# Altium PCB PCB_Amplifier.PcbDoc (part 1 of 4) (continued)
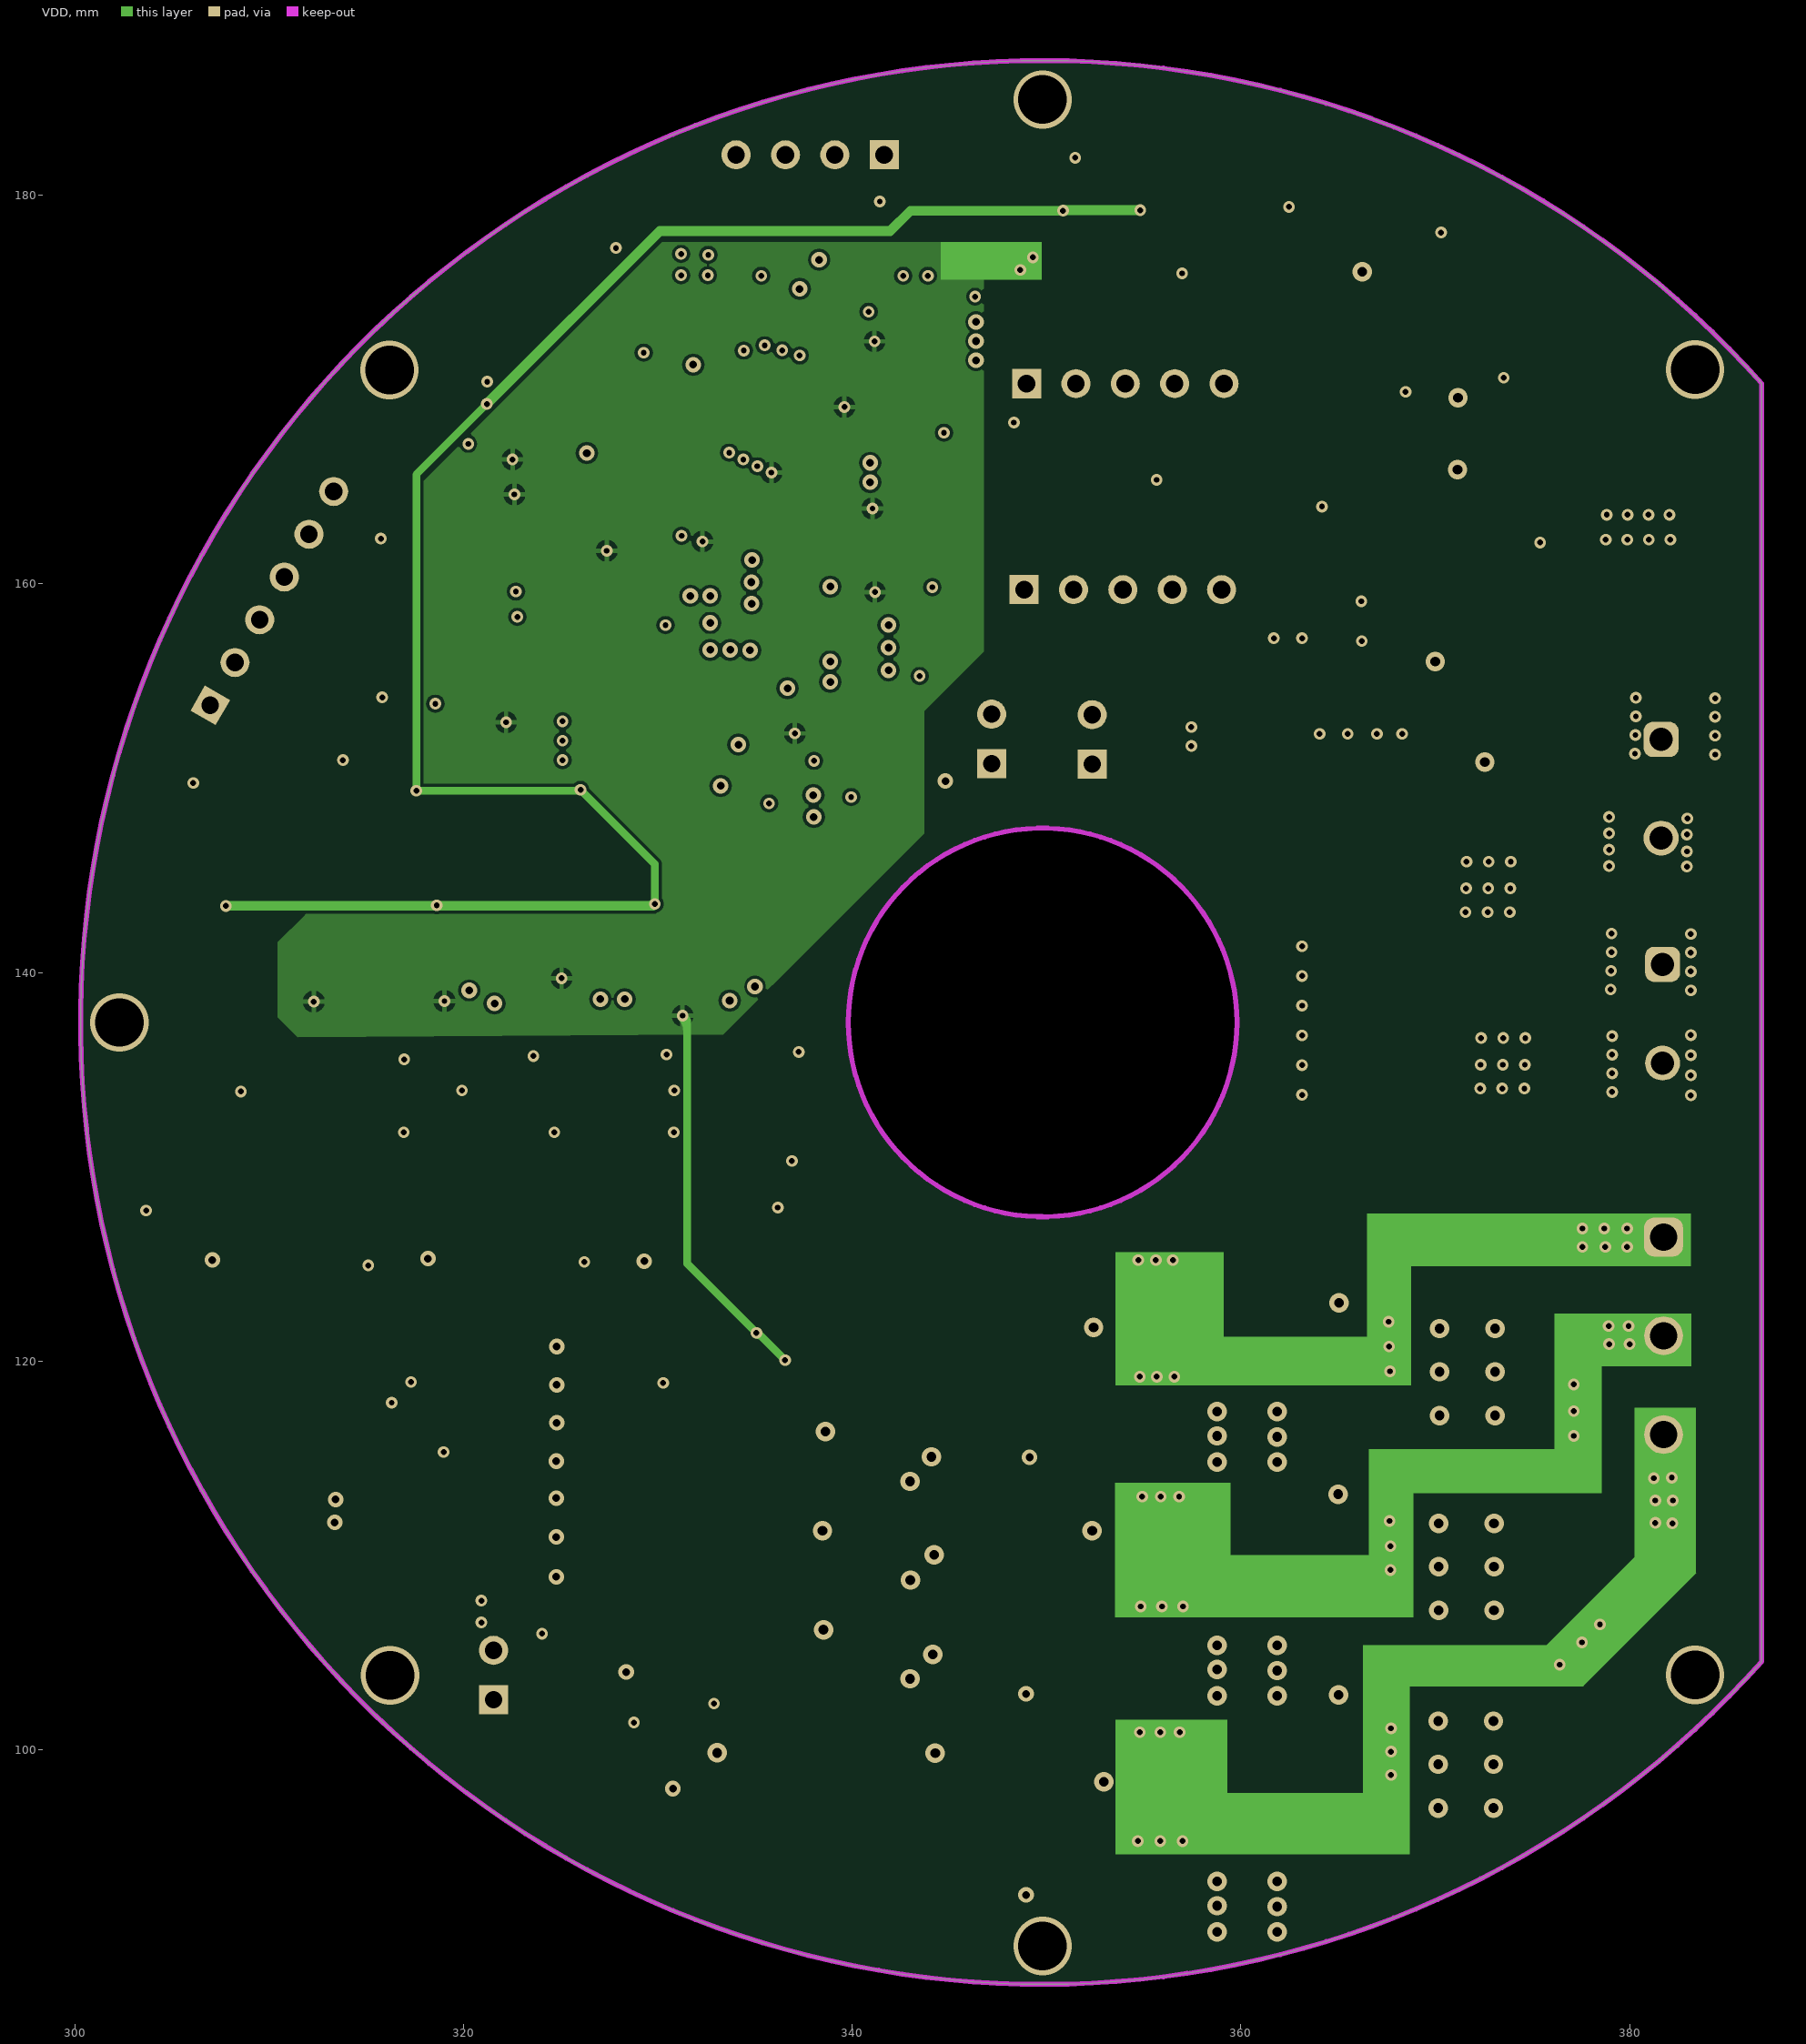
[diagram p3: VDD]

## Layer stack, top to bottom
Top Layer: signal copper 0.0356
Dielectric: core 0.32, FR-4, Dk 4.8
GND: signal copper 0.0356
Dielectric: prepreg 0.32, FR-4, Dk 4.8
VDD: signal copper 0.0356
Dielectric: core 0.32, FR-4, Dk 4.8
Bottom Layer: signal copper 0.0356

## Board outline
386.803,104.548 cw(c349.799,137.426) 386.804,170.303
cut-out: 349.675,147.4 351.4,147.325 352.925,146.925 354.25,146.375 355.925,145.275 357.175,144.125 358.275,142.875 359.25,140.85 359.75,138.725 359.7,135.7 359.05,133.55 358.175,131.925 356.65,130.05 355.175,129 353.25,128.075 351.175,127.525 348.475,127.55 346.65,127.975 344.95,128.7 343.55,129.7 342.25,130.775 341.075,132.425 340.225,134.325 339.9,136.375 339.775,138.2 340.175,140.05 340.75,141.625 341.575,143.175 342.7,144.55 344.275,145.75 345.875,146.6 347.675,147.2

## Design rules (kind name [scope] priority, off if disabled: settings)
Clearance [All] p1: gap=0.16
PolygonConnect [All] p1: connectstyle=Relief reliefconductorwidth=0.254 reliefentries=4 polygonreliefangle="90 Angle" airgapwidth=0.254
RoutingVias [All] p1: holewidth=0.711 width=1.27 viastyle="Through Hole" minholewidth=0.711 minwidth=1.27 maxholewidth=0.711 maxwidth=1.27
SolderMaskExpansion [All] p1: expansion=0.102
Width [All] p1: maxlimit=4 minlimit=0.2 preferedwidth=0.3
28 further rules are at their usual default settings.

## Classes and differential pairs
component class 电源: C70 C71 C72 C73 C74 C75 C76 C77 Cff Cin Cin1 Cin2 Cout Css D4 D5 D6 D7 FE1 FE2 FE3 L1 R75 R76 R77 R78 R79 Renb Rent Rfbb Rfbt Ron T1 U16 U17 U18 U19 U20 U21 U22 Vin_I Vin_II
component class H桥驱动部分: C21 C22 C23 C24 C25 C26 C30 C31 C32 C33 C34 C35 C40 C41 C42 C43 C44 C45 C50 C51 C52 C53 C54 C55 D1 D2 D3 Motor Q1 Q2 Q3 Q4 Q5 Q6 R6 R7 R8 R9 R10 R11 R12 R13 R14 R15 R16 R17 R20 R21 R22 R23 R24 R25 R26 R27 R28 R29 R30 R31 R32 R33 R34 R35 R36 R37 R38 R44 R45 R46 R47 R48 R54 R55 R56 R57 R58 U5 U6 U7 U8 U9 U10 U11 U12
component class 主控芯片: C1 C2 C3 C4 C5 C6 C7 C8 C9 C10 C11 C12 C79 D8 R1 R2 R80 R81 R100 R101 R102 R103 SW U1 U2 Y1
component class 通讯接口: P485 Pcan R3 R4 R5 U3 U4
component class 霍尔传感器以及增量编码器: C60 C61 C62 C63 C64 C65 C66 C67 Hall_Sensor Increase_Encoder R60 R61 R62 R63 R64 R65 U13
component class 绝对编码器与抱闸: "Abs Encoder" Brake Q7 R70 R71 R72 R73 U14 U15
component class 外接力矩传感器接口: C80 C81 C82 C83 C84 C85 C86 C87 C88 "P torque" R85 R86 R87 R88 R89 R90 R91 R92 R93 R94 R95 R96 R97 R98 R99 U23 U24

## Components (designator, comment, footprint, x,y, rotation, side; value= is the part's Value field where it differs from the comment)
"Abs Encoder" "7pin FFC" "FPC Con 6pin 1mm" 340.3,177.325 r270 top
Brake "Header 2" HDR1X2 321.55,102.575 r90 top
C1 "2.2uF (225) 10% 16V" 0603_C 339.95,150.825 r90 top
C2 "2.2uF (225) 10% 16V" 0603_C 320.475,155.7 r0 top
C3 "0.1uF 0% 16V" 0603_C 326.35,170 r90 top
C4 "20pF 16V" 0603_C 328.175,169.975 r90 top
C5 "20pF 16V" 0603_C 336.9,169.975 r90 top
C6 "10uF (106) 10% 10V" 0603_C 338.65,169.975 r270 top
C7 "1uF (105) 10% 50V" 0603_C 341.4,163.825 r180 top
C8 "100nF (104) 10% 50V" 0603_C 341.75,150.825 r90 top
C9 "100nF (104) 10% 50V" 0603_C 320.475,153.825 r0 top
C10 "100nF (104) 10% 50V" 0603_C 320.475,161.7 r0 top
C11 "100nF (104) 10% 50V" 0603_C 322.75,170.025 r270 top
C12 "100nF (104) 10% 50V" 0603_C 324.55,170.025 r270 top
C21 "1uF (105) 10% 50V" 0805_C 342.1,116.35 r0 bottom
C22 "1uF (105) 10% 50V" 0805_C 342.1,111.275 r0 bottom
C23 "1uF (105) 10% 50V" 0805_C 342.1,106.175 r0 bottom
C24 "22uF (226) 20% 25V" 0805_C 334.775,95.1 r90 top
C25 "200pF (201) 10% 50V" 0603_C 337.95,93.925 r0 top
C26 "22uF (226) 20% 25V" 0805_C 331.625,95.1 r270 top
C30 "100nF (104) 10% 50V" 1206_C 311.3,129.25 r180 top
C31 "330pF (331) 5% 50V" 0603_C 311.3,126.525 r180 top
C32 "10pF (100) 5% 50V" 0603_C 312.85,124.475 r180 top
C33 "10pF (100) 5% 50V" 0603_C 309.75,124.475 r0 top
C34 "100nF (104) 10% 50V" 1206_C 311.3,145.425 r180 top
C35 "100nF (104) 10% 50V" 0603_C 313.025,149.6 r180 top
C40 "100nF (104) 10% 50V" 1206_C 322.35,129.25 r180 top
C41 "330pF (331) 5% 50V" 0603_C 322.35,126.525 r180 top
C42 "10pF (100) 5% 50V" 0603_C 323.9,124.475 r180 top
C43 "10pF (100) 5% 50V" 0603_C 320.8,124.475 r0 top
C44 "100nF (104) 10% 50V" 1206_C 322.3,145.425 r180 top
C45 "100nF (104) 10% 50V" 0603_C 324.025,149.6 r180 top
C50 "100nF (104) 10% 50V" 1206_C 333.375,129.25 r180 top
C51 "330pF (331) 5% 50V" 0603_C 333.45,126.525 r180 top
C52 "10pF (100) 5% 50V" 0603_C 335.025,124.475 r180 top
C53 "10pF (100) 5% 50V" 0603_C 331.925,124.475 r0 top
C54 "100nF (104) 10% 50V" 1206_C 333.3,145.425 r180 top
C55 "100nF (104) 10% 50V" 0603_C 334.975,149.6 r180 top
C60 "0.1uF (104) 10% 50V" 0603_C 341.4,159.6 r180 top
C61 "0.1uF (104) 10% 50V" 0603_C 348.45,173.925 r270 top
C62 "1nF (102) 10% 50V" 0603_C 348.475,163.25 r270 top
C63 "1nF (102) 10% 50V" 0603_C 352.735,163.25 r270 top
C64 "1nF (102) 10% 50V" 0603_C 356.995,163.25 r270 top
C65 "1nF (102) 10% 50V" 0603_C 350.375,173.925 r270 top
C66 "1nF (102) 10% 50V" 0603_C 354.275,173.925 r270 top
C67 "1nF (102) 10% 50V" 0603_C 358.1,173.925 r270 top
C70 "10uF 10% 16V" "Cap Tan 3015" 364.3,157.6 r270 bottom
C71 "100nF 10% 50V" 1608[0603] 361.7,158.7 r90 bottom
C72 "10nF 16V 10%" 1608[0603] 371.925,164.375 r0 bottom
C73 "68uF 35V" "6.3x5.4 贴片电解电容" 357.975,150.45 r0 top
C74 "10uF 10% 16V" "Cap Tan 3015" 375.975,172.1 r180 bottom
C75 "0.1uF 50V 10%" 1608[0603] 374.723,174.775 r0 bottom
C76 "0.1uF 50V 10%" 1608[0603] 365.95,180.225 r180 bottom
C77 "10uF 10% 16V" "Cap Tan 3015" 367.05,178.075 r0 bottom
C79 "4.7uF (475) 10% 16V" 0603_C 328.65,178.85 r180 top
C80 "100nF (104) 10% 50V" 0603_C 329.775,161.1 r180 bottom
C81 "47pF (470) 5% 50V" 0603_C 320.15,164.775 r180 bottom
C82 "330pF (331) 5% 50V" 0603_C 324.125,162.275 r270 bottom
C83 "330pF (331) 5% 50V" 0603_C 317.812,159.825 r90 bottom
C84 "1nF (102) 10% 50V" 0603_C 314.675,159.825 r270 bottom
C85 "47pF (470) 5% 50V" 0603_C 320.15,142.6 r180 bottom
C86 "330pF (331) 5% 50V" 0603_C 323.975,145.7 r270 bottom
C87 "330pF (331) 5% 50V" 0603_C 316.244,147.15 r90 bottom
C88 "1nF (102) 10% 50V" 0603_C 316.45,151.025 r270 bottom
Cff "22nF (223) 10% 50V" 0603_C 367.45,159.33 r270 top
Cin "10uF (106) 10% 50V" 1206_C 377.275,165.275 r180 bottom
Cin1 "12.5x13.5 68uF 100V" "Cap 12.5x13.5" 367.525,143.9 r180 top
Cin2 "12.5x13.5 68uF 100V" "Cap 12.5x13.5" 367.525,131.25 r180 top
Cout "47uF/25V" "6.3x5.4 贴片电解电容" 374.575,156.95 r180 top
Css "4.7nF (472) 10% 50V" 0603_C 363.15,159.33 r90 top
D1 "RS1J" SMA(DO-214AC)_S1 335,116.375 r180 bottom
D2 "RS1J" SMA(DO-214AC)_S1 335,111.25 r180 bottom
D3 "RS1J" SMA(DO-214AC)_S1 335,106.2 r180 bottom
D4 "SBRT20U60SP5" SBRT20U60SP5 381.525,160.475 r0 bottom
D5 "绿灯 0603" 0603_LED_S1 360.622,181.25 r90 top
D6 "绿灯 0603" 0603_LED_S1 356.811,181.3 r90 top
D7 "绿灯 0603" 0603_LED_S1 353,181.225 r90 top
D8 "绿灯 0603" 0603_LED_S1 345.3,181.275 r90 top
FE1 "" 0603_R 350.075,180.425 r180 top
FE2 "" 0603_R 375.85,170.575 r270 top
FE3 "" 0603_R 317.225,154.925 r90 top
Hall_Sensor "" HDR1X5 348.85,159.7 r0 top
Increase_Encoder "" HDR1X5 348.975,170.3 r0 top
L1 "22uH" "L 5x5mm" 366.2,171.35 r0 top
Motor "Header 3" "3P 5mm" 381.75,121.3 r90 top
P485 "Header 2" HDR1X2 352.35,150.725 r90 top
"P torque" "Header 6" HDR1X6 306.975,153.75 r60 top
Pcan "Header 2" HDR1X2 347.175,150.75 r90 top
Q1 "IRFR3806PbF" TO-252AA 371.65,119.3 r270 top
Q2 "IRFR3806PbF" TO-252AA 356.225,122.15 r270 top
Q3 "IRFR3806PbF" TO-252AA 371.65,109.225 r270 top
Q4 "IRFR3806PbF" TO-252AA 356.225,110.137 r270 top
Q5 "IRFR3806PbF" TO-252AA 371.65,99.15 r270 top
Q6 "IRFR3806PbF" TO-252AA 356.225,98.125 r270 top
Q7 "MMBT5401 2L" SOT-23(SOT-23-3) 307.25,120.575 r90 top
R1 "10KΩ (1002) ±1%" 0603_R 341.4,161.35 r180 top
R2 "10KΩ (1002) ±1%" 0603_R 344.725,170 r90 top
R3 "10KΩ (1002) ±1%" 0603_R 341.4,153.95 r0 top
R4 "120Ω  ±1%" 0603_R 355.875,152.05 r90 top
R5 "0Ω (0R0) ±1%" 0603_R 343.575,150.825 r270 top
R6 "4.7KΩ (4701) ±1%" 0603_R 326.65,117.775 r180 top
R7 "4.7KΩ (4701) ±1%" 0603_R 326.65,115.8 r180 top
R8 "4.7KΩ (4701) ±1%" 0603_R 326.65,109.9 r180 top
R9 "4.7KΩ (4701) ±1%" 0603_R 326.65,119.775 r180 top
R10 "4.7KΩ (4701) ±1%" 0603_R 326.675,113.8 r180 top
R11 "4.7KΩ (4701) ±1%" 0603_R 326.675,111.825 r180 top
R12 "10Ω (10R0) ±1%" 0603_R 328.775,116.375 r0 bottom
R13 "10Ω (10R0) ±1%" 0603_R 328.775,111.25 r0 bottom
R14 "10Ω (10R0) ±1%" 0603_R 328.775,106.2 r0 bottom
R15 "1KΩ ±1%" 0603_R 326.7,102.036 r180 top
R16 "1KΩ ±1%" 0603_R 326.675,100.068 r0 top
R17 "3KΩ  ±1%" 0603_R 326.7,98.1 r180 top
R20 "100Ω (1000) ±1%" 0603_R 364.3,119.225 r0 bottom
R21 "100Ω (1000) ±1%" 0603_R 345.85,124.475 r0 top
R22 "100Ω (1000) ±1%" 0603_R 364.35,109.15 r0 bottom
R23 "100Ω (1000) ±1%" 0603_R 345.85,111.65 r0 top
R24 "100Ω (1000) ±1%" 0603_R 364.3,99.075 r0 bottom
R25 "100Ω (1000) ±1%" 0603_R 345.85,100.4 r0 top
R26 "0.01 3W 0.5%" 2512 357.65,116.25 r90 top
R27 "0.01 3W 0.5%" 2512 357.65,104.225 r90 top
R28 "0.01 3W 0.5%" 2512 357.65,92.075 r90 top
R29 "4.7KΩ (4701) ±1%" 0603_R 326.65,107.941 r180 top
R30 "4.7KΩ (4701) ±1%" 0603_R 326.65,105.973 r180 top
R31 "1KΩ ±1%" 0603_R 326.675,104.005 r0 top
R32 "3KΩ ±1%" 0603_R 341.625,96.425 r180 top
R33 "1KΩ ±1%" 0603_R 337.925,96.425 r180 top
R34 "12Ω (12R0) ±1%" 0603_R 307.85,126.525 r0 top
R35 "12Ω (12R0) ±1%" 0603_R 314.725,126.525 r180 top
R36 "12Ω (12R0) ±1%" 0603_R 309.625,147.7 r180 top
R37 "12Ω (12R0) ±1%" 0603_R 313.025,147.7 r0 top
R38 "12Ω (12R0) ±1%" 0603_R 309.6,149.6 r0 top
R44 "12Ω (12R0) ±1%" 0603_R 318.95,126.525 r0 top
R45 "12Ω (12R0) ±1%" 0603_R 325.725,126.525 r180 top
R46 "12Ω (12R0) ±1%" 0603_R 320.65,147.7 r180 top
R47 "12Ω (12R0) ±1%" 0603_R 324.05,147.7 r0 top
R48 "12Ω (12R0) ±1%" 0603_R 320.65,149.6 r0 top
R54 "12Ω (12R0) ±1%" 0603_R 330.075,126.525 r0 top
R55 "12Ω (12R0) ±1%" 0603_R 336.775,126.525 r180 top
R56 "12Ω (12R0) ±1%" 0603_R 331.575,147.7 r180 top
R57 "12Ω (12R0) ±1%" 0603_R 334.975,147.7 r0 top
R58 "12Ω (12R0) ±1%" 0603_R 331.5,149.6 r0 top
R60 "4.7KΩ (4701) ±1%" 0603_R 350.605,163.25 r90 top
R61 "4.7KΩ (4701) ±1%" 0603_R 354.865,163.25 r90 top
R62 "4.7KΩ (4701) ±1%" 0603_R 359.125,163.25 r90 top
R63 "4.7KΩ (4701) ±1%" 0603_R 352.35,173.925 r90 top
R64 "4.7KΩ (4701) ±1%" 0603_R 356.2,173.925 r90 top
R65 "4.7KΩ (4701) ±1%" 0603_R 360.025,173.925 r90 top
R70 "100KΩ (1003) ±1%" 0603_R 304.5,129.225 r180 top
R71 "4.7KΩ (4701) ±1%" 0603_R 303.775,132.125 r0 top
R72 "27KΩ (2702) ±1%" 0603_R 332.825,121.45 r0 top
R73 "27KΩ (2702) ±1%" 0603_R 332.85,119.425 r0 top
R75 "10K 1%" 1608[0603] 371.925,156 r180 bottom
R76 "3.24k 1%" 1608[0603] 375.4,158.975 r270 bottom
R77 "69KΩ (6901) ±1%" 0603_R 362.45,181.225 r270 top
R78 "1.9KΩ (1901) ±1%" 0603_R 358.639,181.275 r270 top
R79 "1KΩ (1001) ±1%" 0603_R 354.828,181.275 r270 top
R80 "0Ω (0R0) ±1%" 0603_R 336.05,170.3 r180 bottom
R81 "0Ω (0R0) ±1%" 0603_R 336.05,168.9 r180 bottom
R85 "10KΩ (1002) ±1%" 0603_R 329.775,163.15 r0 bottom
R86 "10KΩ (1002) ±1%" 0603_R 329.775,159.025 r180 bottom
R87 "47Ω (47R0) ±1%" 0603_R 326.625,159.9 r90 bottom
R88 "47KΩ (4702) ±1%" 0603_R 320.15,162.85 r180 bottom
R89 "11KΩ (1102) ±1%" 0603_R 319.381,159.825 r270 bottom
R90 "11KΩ (1102) ±1%" 0603_R 320.95,159.825 r270 bottom
R91 "10KΩ (1002) ±1%" 0603_R 324.125,158.375 r90 bottom
R92 "10KΩ (1002) ±1%" 0603_R 316.45,156.525 r270 bottom
R93 "2KΩ (2001) ±1%" 0603_R 316.244,159.825 r270 bottom
R94 "11KΩ (1102) ±1%" 0603_R 319.381,147.15 r270 bottom
R95 "11KΩ (1102) ±1%" 0603_R 320.95,147.15 r270 bottom
R96 "10KΩ (1002) ±1%" 0603_R 324,149.075 r90 bottom
R97 "10KΩ (1002) ±1%" 0603_R 317.813,147.15 r90 bottom
R98 "47KΩ (4702) ±1%" 0603_R 320.15,144.45 r180 bottom
R99 "2KΩ (2001) ±1%" 0603_R 314.675,147.15 r270 bottom
R100 "1KΩ (1001) ±1%" 0603_R 347.15,181.3 r270 top
R101 "82KΩ (8202) ±1%" 0603_R 329.2,175.25 r90 top
R102 "10KΩ (1002) ±1%" 0603_R 327.05,175.275 r270 top
R103 "10KΩ (1002) ±1%" 0603_R 324.875,175.25 r270 top
Renb "4.32KΩ (4321) ±1%" 0603_R 365.225,164.745 r90 top
Rent "68KΩ (6802) ±1%" 0603_R 367.4,164.745 r270 top
Rfbb "1.91KΩ (1911) ±1%" 0603_R 365.325,159.33 r90 top
Rfbt "34KΩ (3402) ±1%" 0603_R 369.5,159.33 r270 top
Ron "287KΩ (2873) ±1%" 0603_R 369.4,164.77 r270 top
SW "Header 4" HDR1X4 341.65,182.075 r180 top
T1 "SS12" "DO214 SS12" 364.25,162.075 r90 bottom
U1 "STM32F405RGT6" STM-LQFP64_N 331.125,158.95 r270 top
U2 "NC7S86" "SOT 23-5" 342.1,170 r0 top
U3 "VP230" SOP-8 339.675,149.875 r0 bottom
U4 "SP3485" SOP-8 339.65,156.025 r0 bottom
U5 "IR2136STRPBF" "28-Lead SOIC(wide body)" 330.825,116.35 r0 top
U6 "Adum1200" SOP-8 332.475,136.875 r270 bottom
U7 "Adum1200" SOP-8 325.75,136.875 r270 bottom
U8 "Adum1200" SOP-8 319.025,136.875 r270 bottom
U9 "ADUM 1201" SOP-8 312.3,136.875 r270 bottom
U10 "AMC1200-Q1" SOP_4.85mm 311.275,137.2 r90 top
U11 "AMC1200-Q1" SOP_4.85mm 322.325,137.2 r90 top
U12 "AMC1200-Q1" SOP_4.85mm 333.375,137.2 r90 top
U13 "TXB0106" "TSSOP 16PIN" 339.3,162.3 r0 bottom
U14 "TXB0106" "TSSOP 16PIN" 339.3,169.8 r0 bottom
U15 "TQ2SA-5V" TQ2SA 320.9,120.4 r270 top
U16 "LMZ14201" LMZ14201H 373.175,162.075 r270 top
U17 "TPS543x" SOIC8 369.925,160.175 r180 bottom
U18 "LM1117-3.3" "SOT-223 LM1117-3.3" 364.75,173.125 r90 bottom
U19 "PESD15VL2BT" SOT-23(SOT-23-3) 371.3,150.85 r0 bottom
U20 "PESD5VL2BT" SOT-23(SOT-23-3) 376.525,168.65 r0 bottom
U21 "PESD3V3L2BT" SOT-23(SOT-23-3) 320.225,164.725 r0 top
U22 "PESD3V3L2BT" SOT-23(SOT-23-3) 305.2,146.425 r270 top
U23 "TLV2772_D_8" SOP-8 326.625,156.125 r270 bottom
U24 "TLV2772_D_8" SOP-8 318,156.175 r270 bottom
Vin_I "Header 2" "2P 5mm" 381.7,137.875 r270 top
Vin_II "Header 2" "2P 5mm" 381.625,149.45 r270 top
Y1 "XTAL" "XTAL CPX53GB" 332.5,167.7 r0 top

## Footprints (in the part's own frame and the unit in brackets; to place one, negate y for a bottom-side part, rotate by r counter-clockwise, add the part's x,y. Pads: shape width x height; smd on the part's side, far side on the other; paste and mask are expansions set on the pad)
"2P 5mm" [mm]
  rrect50% 1.8x1.8 hole 1.2: 1(-2.54,0)
  round 1.8 hole 1.2: 2(2.54,0)
  silkscreen extent -5,-5 5,5, body extent -5.32,-5.19 5.33,5.2, height 14.21
"3P 5mm" [mm]
  rrect50% 2x2 hole 1.4: 1(5.08,0)
  round 2 hole 1.4: 2(0,0) 3(-5.08,0)
  silkscreen extent -7.52,-5 7.54,5
"6.3x5.4 贴片电解电容" [mm]
  rrect50% 2x1.5 smd: 1(0,3.25) 2(6.5,3.25)
  silkscreen extent 0,0 6.5,6.5, body extent -0.05,0.05 6.45,6.55, height 8
"28-Lead SOIC(wide body)" [mm] "IR2136STRPBF 三相驱动桥"
  rect 2x0.6 smd: 1(0,0) 2(0,-1.27) 3(0,-2.54) 4(0,-3.81) 5(0,-5.08) 6(0,-6.35) 7(0,-7.62) 8(0,-8.89) 9(0,-10.16) 10(0,-11.43) 11(0,-12.7) 12(0,-13.97) 13(0,-15.24) 14(0,-16.51) 15(9.675,-16.51) 16(9.675,-15.24) 17(9.675,-13.97) 18(9.675,-12.7) 19(9.675,-11.43) 20(9.675,-10.16) 21(9.675,-8.89) 22(9.675,-7.62) 23(9.675,-6.35) 24(9.675,-5.08) 25(9.675,-3.81) 26(9.675,-2.54) 27(9.675,-1.27) 28(9.675,0)
  silkscreen extent 1.05,-17.47 8.55,0.63, body extent -0.5,-17.27 10,0.73, height 2.5
0603_C [mm]
  rect 0.93x0.98 smd: 1(-0.77,0) 2(0.77,0)
  silkscreen extent -1.53,-0.79 1.54,0.79, body extent -0.8,-0.4 0.8,0.4, height 0.3
0603_LED_S1 [mm]
  rect 0.93x0.98 smd: A(0.77,0) K(-0.77,0)
  silkscreen extent -1.98,-0.79 1.54,0.79, body extent -0.8,-0.4 0.8,0.4, height 0.6
0603_R [mm]
  rect 0.93x0.98 smd: 1(-0.77,0) 2(0.77,0)
  silkscreen extent -1.53,-0.79 1.54,0.79, body extent -0.85,-0.4 0.85,0.4, height 0.56
0805_C [mm]
  rect 1.16x1.47 smd: 1(-0.89,0) 2(0.89,0)
  silkscreen extent -1.77,-1.04 1.77,1.04, body extent -1,-0.63 1,0.63, height 0.77
1206_C [mm]
  rect 1.13x1.8 smd: 1(-1.49,0) 2(1.49,0)
  silkscreen extent -2.36,-1.2 2.35,1.2, body extent -1.6,-0.81 1.6,0.79, height 1
1608[0603] [mm] "Chip Capacitor, Body 1.6x0.8mm, IPC High Density"
  rect 0.8x0.9 smd: 1(-0.7,0) 2(0.7,0)
  body extent -0.87,-0.48 0.87,0.48, height 1.3
2512 [mm]
  rect 3.4x2 smd: 1(-0.101,-2.667) 2(-0.101,2.933)
  silkscreen extent -2.1,-2.67 1.9,3.03, body extent -1.6,-2.77 1.4,3.23, height 0.5
"Cap 12.5x13.5" [mm] "SMD Aluminum Electrolytic Cap"
  rrect50% 4x3 smd: 1(-5.95,0) 2(5.75,0)
  silkscreen extent -6,-6 6,6, body extent -4.15,-4.15 4.15,4.15, height 10.5
"Cap Tan 3015" [mm]
  rrect50% 1.2x1.6 smd: 1(-1.8,0)
  rect 1.2x1.6 smd: 2(1.8,0)
  silkscreen extent -2.85,-1 -2.85,0.87
"DO214 SS12" [mm] "二极管 SS14"
  rect 1.6x2 smd: 1(4.325,0) 2(0,0)
  silkscreen extent 4.91,-1.8 5.65,1.83, body extent -0.45,-1.3 4.75,1.3, height 2.4
"FPC Con 6pin 1mm" [mm] "立式插座"
  rect 2.5x0.6 smd: 1(-0.325,0) 2(3.15,-1) 3(-0.325,-2) 4(3.15,-3) 5(-0.325,-4) 6(3.15,-5)
  rect 5x3 smd: 7(1.425,3.225) 7(1.475,-8.025)
  body extent -1.63,-9 4.43,4, height 5.7
HDR1X2 [mm] "Connector; Header; 2 Position"
  rect 1.5x1.5 hole 0.9: 1(0,0)
  round 1.5 hole 0.9: 2(2.54,0)
  silkscreen extent -1.27,-1.27 3.81,1.27
HDR1X4 [mm] "Connector; Header; 4 Position"
  rect 1.5x1.5 hole 0.9: 1(0,0)
  round 1.5 hole 0.9: 2(2.54,0) 3(5.08,0) 4(7.62,0)
  silkscreen extent -1.27,-1.27 8.89,1.27
HDR1X5 [mm] "Connector; Header; 5 Position"
  rect 1.5x1.5 hole 0.9: 1(0,0)
  round 1.5 hole 0.9: 2(2.54,0) 3(5.08,0) 4(7.62,0) 5(10.16,0)
  silkscreen extent -1.27,-1.27 11.43,1.27
HDR1X6 [mm] "Connector; Header; 6 Position"
  rect 1.5x1.5 hole 0.9: 1(0,0)
  round 1.5 hole 0.9: 2(2.54,0) 3(5.08,0) 4(7.62,0) 5(10.16,0) 6(12.7,0)
  silkscreen extent -1.27,-1.27 13.97,1.27
"L 5x5mm" [mm] "5x5mm电感"
  rect 1.4x4.5 smd: 1(-0.05,0.025) 2(5,0)
  silkscreen extent -1.17,-3.1 6.15,3.42
LMZ14201H [mm] "LMZ14201H 1A SIMPLE SWITCHER,Power Module for High Output Voltage"
  rect 0.89x3.06 smd: 1(-3.81,0) 2(-2.54,0) 3(-1.27,0) 4(0,0) 5(1.27,0) 6(2.54,0) 7(3.81,0)
  rect 5.35x8.54 smd: 8(0,7.4)
  silkscreen extent -4.35,2.3 -3.6,3.05, body extent -5.12,-1.07 5.08,12.73, height 4.5
SBRT20U60SP5 [mm] "60V 20A二极管"
  rect 1.4x1.4 smd: 1(-0.92,0) 2(0.92,0)
  rect 3.36x4.86 smd: 3(0,4)
  body extent -1.97,-0.46 2.03,6.29, height 1.2
SMA(DO-214AC)_S1 [mm]
  rect 2x2 smd: 1(2.1,0) 2(-2.1,0)
  silkscreen extent -2.35,-1.5 2.35,1.5
SOIC8 [mm] "TPS5430"
  rect 1.55x0.6 smd: 1(-2.7,1.905) 2(-2.7,0.635) 3(-2.7,-0.635) 4(-2.7,-1.905) 5(2.7,-1.905) 6(2.7,-0.635) 7(2.7,0.635) 8(2.7,1.905)
  rect 2.6x3.1 smd: 9(0,0)
  silkscreen extent -3.3,3.13 -3.1,3.13, body extent -2.9,-2.5 2.9,2.5, height 2.11
SOP-8 [mm]
  rect 2x0.6 smd: 1(0,0)
  oval 2x0.6 smd: 2(0,-1.27) 3(0,-2.54) 4(0,-3.81) 5(5.1,-3.81) 6(5.1,-2.54) 7(5.1,-1.27) 8(5.1,0)
  silkscreen extent 1.46,-4.44 3.64,0.64, body extent -0.32,-4.4 5.48,0.6, height 2.11
SOP_4.85mm [mm] "全差动隔离放大器"
  rect 2.4x0.8 smd: 1(-4.5,3.81) 2(-4.5,1.27) 3(-4.5,-1.27) 4(-4.5,-3.81) 5(4.6,-3.81) 6(4.6,-1.27) 7(4.6,1.27) 8(4.6,3.81)
  silkscreen extent -3.08,-4.82 3.18,4.77, body extent -5.25,-4.7 5.45,4.8, height 4.85
"SOT 23-5" [mm]
  rect 0.7x1.3 smd: 1(-0.95,-1.3) 2(0,-1.3) 3(0.95,-1.3) 4(0.95,1.3) 5(-0.95,1.3)
  silkscreen extent -1.97,-1.32 1.5,0.15, body extent -1.51,-0.87 1.51,0.87, height 1.3
SOT-23(SOT-23-3) [mm]
  rect 1.25x0.7 smd: 1(1.25,-0.95) 2(1.25,0.95) 3(-1.25,0)
  silkscreen extent -0.65,-1.46 0.9,1.46, body extent -1.5,-1.5 1.5,1.5, height 1.3
"SOT-223 LM1117-3.3" [mm]
  rrect50% 1x2 smd: 1(2.3,0)